# Allegro board 6089-103-RevB_76.brd (continued)
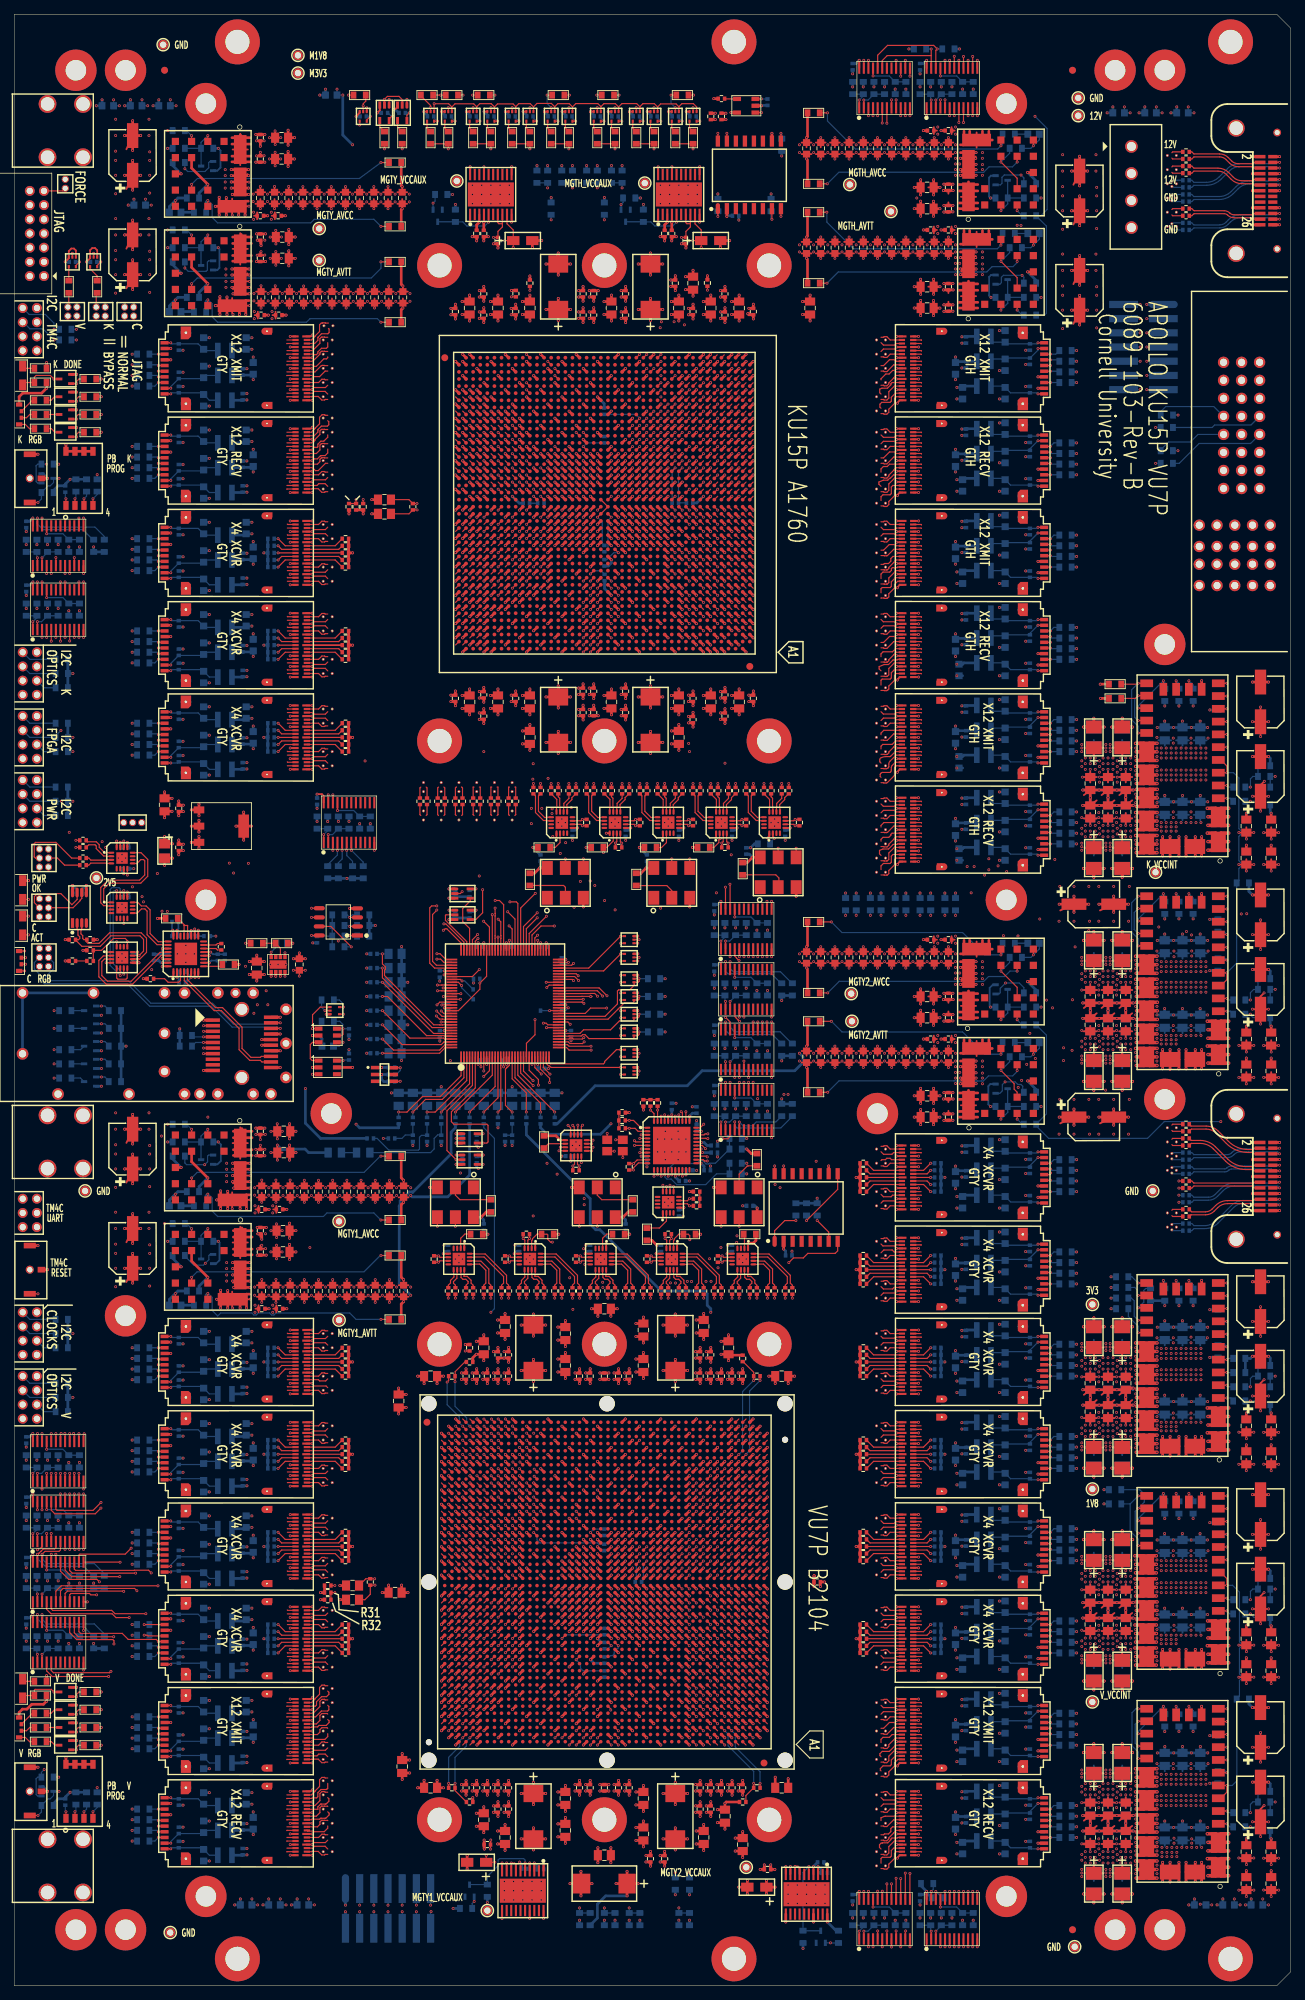
[diagram p0: board, top side]
## Routing (per net, layer and track width the routed paths; a pad name or vN(x,y) marks a point on that pad's centre or on a via; arc(x,y) is an arc through that point) (continued)
45.02,38.31 ; VA42.4 45.16,38.22 ; VA42.4 44.84,37.52 ; VA42.4 45.16,37.58 ; U113.G2 142.19,80.84 ; U113.G2 141.47,79.18 ; U113.G2 142.19,78.96 ; U113.G2 141.79,78.97 ; U113.G2 141.25,79.9 ; U113.G2 142.91,80.62 ; U113.G2 142.91,79.18 ; U113.G2 141.47,80.62 ; VA40.4 45.16,42.22 ; VA40.4 45.02,42.31 ; VA40.4 45.25,41.71 ; VA40.4 44.84,41.52 ; VA40.4 44.84,42.28 ; VA40.4 45.16,41.58 ; VA40.4 45.25,42.09 ; VA40.4 45.22,41.9 ; VA124.3 123.16,44.58 ; VA124.3 123.02,45.31 ; VA124.3 123.25,44.71 ; VA124.3 122.83,45.28 ; VA124.3 123.25,45.09 ; VA124.3 122.83,44.52 ; VA124.3 123.22,44.9 ; VA124.3 123.16,45.22 ; 62.29,169.72 VA57.4 ; VA57.4 63.11,169.72 ; VA57.4 63.08,169.53 ; VA57.4 62.7,169.92 ; VA57.4 62.89,169.95 ; VA57.4 62.32,169.53 ; VA57.4 62.38,169.86 ; VA57.4 63.02,169.86 ; 163.84,120.9 163.84,121.28 ; 163.84,120.9 164.16,121.22 ; 163.84,120.9 164.02,121.31 ; 163.84,120.9 164.22,120.9 ; 163.84,120.9 164.25,121.09 ; 163.84,120.9 164.16,120.58 ; 163.84,120.9 164.25,120.71 ; 163.84,120.9 163.84,120.52 ; 162.56,116.52 VA145.4 ; VA145.4 162.38,116.49 ; VA145.4 162.18,116.9 ; VA145.4 162.15,116.71 ; VA145.4 162.24,116.58 ; VA145.4 162.56,117.28 ; VA145.4 162.24,117.22 ; VA145.4 162.15,117.09 ; 122.83,227.52 VA67.3 ; VA67.3 123.22,227.9 ; VA67.3 122.83,228.28 ; VA67.3 123.02,228.31 ; VA67.3 123.16,228.22 ; VA67.3 123.16,227.58 ; VA67.3 123.25,227.71 ; VA67.3 123.25,228.09 ; 121.15,213.09 VA74.4 ; VA74.4 121.18,212.9 ; VA74.4 121.24,212.58 ; VA74.4 121.56,212.52 ; VA74.4 121.38,212.49 ; VA74.4 121.56,213.28 ; VA74.4 121.24,213.22 ; VA74.4 121.15,212.71 ; 67.51,167.85 67.7,168.26 ; 67.7,168.26 67.38,167.94 ; 67.7,168.26 67.29,168.08 ; 67.7,168.26 67.32,168.26 ; 67.7,168.26 67.7,167.88 ; 67.7,168.26 68.02,167.94 ; 67.7,168.26 68.08,168.26 ; 67.7,168.26 68.11,168.08 ; 62.29,164.08 62.7,164.26 ; 62.7,164.26 62.7,163.88 ; 62.7,164.26 63.11,164.08 ; 62.7,164.26 63.02,163.94 ; 62.7,164.26 62.38,163.94 ; 62.7,164.26 62.51,163.85 ; 62.7,164.26 63.08,164.26 ; 62.7,164.26 62.32,164.26 ; U24.G2 24.93,170.18 ; U24.G2 24.93,171.62 ; U24.G2 24.21,171.84 ; U24.G2 25.15,170.9 ; U24.G2 24.21,169.96 ; U24.G2 23.49,170.18 ; U24.G2 23.49,171.62 ; U24.G2 23.81,169.97 ; 121.56,199.52 VA80.4 ; VA80.4 121.15,200.09 ; VA80.4 121.24,200.22 ; VA80.4 121.38,199.49 ; VA80.4 121.24,199.58 ; VA80.4 121.15,199.71 ; VA80.4 121.18,199.9 ; VA80.4 121.56,200.28 ; 122.83,158.52 VA99.3 ; VA99.3 123.16,159.22 ; VA99.3 123.25,158.71 ; VA99.3 123.02,159.31 ; VA99.3 123.25,159.09 ; VA99.3 123.22,158.9 ; VA99.3 123.16,158.58 ; VA99.3 122.83,159.28 ; 43.56,76.9 43.56,77.28 ; 43.56,76.9 43.56,76.52 ; 43.56,76.9 43.24,76.58 ; 43.56,76.9 43.15,77.09 ; 43.56,76.9 43.24,77.22 ; 43.56,76.9 43.15,76.71 ; 43.56,76.9 43.18,76.9 ; 43.56,76.9 43.38,76.49 ; VA135.3 123.25,18.71 ; VA135.3 122.83,18.52 ; VA135.3 122.83,19.28 ; VA135.3 123.16,19.22 ; VA135.3 123.16,18.58 ; VA135.3 123.02,19.31 ; VA135.3 123.22,18.9 ; VA135.3 123.25,19.09 ; 43.24,26.58 43.56,26.9 ; 43.56,26.9 43.56,26.52 ; 43.56,26.9 43.24,27.22 ; 43.56,26.9 43.15,27.09 ; 43.56,26.9 43.18,26.9 ; 43.56,26.9 43.15,26.71 ; 43.56,26.9 43.56,27.28 ; 43.56,26.9 43.38,26.49 ; 1.2,163.02 J5.7 ; J5.7 2.08,163.9 ; J5.7 2.07,164.28 ; J5.7 1.87,163.23 ; J5.7 1.58,164.77 ; J5.7 2.07,163.52 ; J5.7 1.87,164.57 ; J5.7 1.2,164.78 ; 65.2,167.88 65.2,168.26 ; 65.2,168.26 65.01,167.85 ; 65.2,168.26 64.88,167.94 ; 65.2,168.26 64.79,168.08 ; 65.2,168.26 65.52,167.94 ; 65.2,168.26 64.82,168.26 ; 65.2,168.26 65.61,168.08 ; 65.2,168.26 65.58,168.26 ; 43.24,28.58 43.56,28.9 ; 43.56,28.9 43.15,29.09 ; 43.56,28.9 43.56,28.52 ; 43.56,28.9 43.56,29.28 ; 43.56,28.9 43.24,29.22 ; 43.56,28.9 43.18,28.9 ; 43.56,28.9 43.38,28.49 ; 43.56,28.9 43.15,28.71 ; VA31.3 45.02,71.31 ; VA31.3 44.84,70.52 ; VA31.3 45.16,70.58 ; VA31.3 44.84,71.28 ; VA31.3 45.25,70.71 ; VA31.3 45.25,71.09 ; VA31.3 45.16,71.22 ; VA31.3 45.22,70.9 ; 23.49,194.62 U23.G1 ; U23.G1 24.21,194.84 ; U23.G1 25.15,193.9 ; U23.G1 23.49,193.18 ; U23.G1 24.93,193.18 ; U23.G1 24.21,192.96 ; U23.G1 24.93,194.62 ; U23.G1 23.81,192.97 ; 122.83,102.52 VA106.4 ; VA106.4 123.16,103.22 ; VA106.4 123.16,102.58 ; VA106.4 123.22,102.9 ; VA106.4 122.83,103.28 ; VA106.4 123.25,103.09 ; VA106.4 123.02,103.31 ; VA106.4 123.25,102.71 ; VA68.3 123.02,226.31 ; VA68.3 123.25,225.71 ; VA68.3 122.83,226.28 ; VA68.3 122.83,225.52 ; VA68.3 123.25,226.09 ; VA68.3 123.16,226.22 ; VA68.3 123.22,225.9 ; VA68.3 123.16,225.58 ; 121.15,78.71 VA113.3 ; VA113.3 121.56,78.52 ; VA113.3 121.18,78.9 ; VA113.3 121.15,79.09 ; VA113.3 121.38,78.49 ; VA113.3 121.24,78.58 ; VA113.3 121.56,79.28 ; VA113.3 121.24,79.22 ; 121.15,163.09 VA97.4 ; VA97.4 121.38,162.49 ; VA97.4 121.56,162.52 ; VA97.4 121.18,162.9 ; VA97.4 121.24,162.58 ; VA97.4 121.56,163.28 ; VA97.4 121.15,162.71 ; VA97.4 121.24,163.22 ; 162.15,120.71 VA143.4 ; VA143.4 162.38,120.49 ; VA143.4 162.24,120.58 ; VA143.4 162.24,121.22 ; VA143.4 162.56,120.52 ; VA143.4 162.56,121.28 ; VA143.4 162.15,121.09 ; VA143.4 162.18,120.9 ; VA117.4 123.25,65.71 ; VA117.4 123.22,65.9 ; VA117.4 123.16,66.22 ; VA117.4 122.83,65.52 ; VA117.4 123.16,65.58 ; VA117.4 123.25,66.09 ; VA117.4 122.83,66.28 ; VA117.4 123.02,66.31 ; 3.53,251.57 J1.11 ; J1.11 4.2,250.02 ; J1.11 3.32,250.9 ; J1.11 4.2,251.78 ; J1.11 5.08,250.9 ; J1.11 4.87,250.23 ; J1.11 4.87,251.57 ; J1.11 3.53,250.23 ; VA113.4 123.22,78.9 ; VA113.4 123.25,79.09 ; VA113.4 123.16,79.22 ; VA113.4 122.83,79.28 ; VA113.4 123.25,78.71 ; VA113.4 123.16,78.58 ; VA113.4 122.83,78.52 ; VA113.4 123.02,79.31 ; 121.15,32.09 VA129.4 ; VA129.4 121.24,32.22 ; VA129.4 121.18,31.9 ; VA129.4 121.15,31.71 ; VA129.4 121.56,31.52 ; VA129.4 121.24,31.58 ; VA129.4 121.38,31.49 ; VA129.4 121.56,32.28 ; U29.G1 24.21,41.84 ; U29.G1 23.81,39.97 ; U29.G1 25.15,40.9 ; U29.G1 23.49,41.62 ; U29.G1 23.49,40.18 ; U29.G1 24.93,41.62 ; U29.G1 24.93,40.18 ; U29.G1 24.21,39.96 ; VA84.3 122.83,191.28 ; VA84.3 123.16,191.22 ; VA84.3 123.02,191.31 ; VA84.3 123.25,191.09 ; VA84.3 123.25,190.71 ; VA84.3 122.83,190.52 ; VA84.3 123.22,190.9 ; VA84.3 123.16,190.58 ; P1.12 173.03,219.57 ; P1.12 173.03,217.61 ; P1.12 172.29,217.85 ; P1.12 172.29,219.33 ; P1.12 173.77,217.85 ; P1.12 172.05,218.59 ; P1.12 173.77,219.33 ; P1.12 174.01,218.59 ; VA100.3 123.16,156.58 ; VA100.3 123.02,157.31 ; VA100.3 123.22,156.9 ; VA100.3 123.25,156.71 ; VA100.3 122.83,156.52 ; VA100.3 123.16,157.22 ; VA100.3 122.83,157.28 ; VA100.3 123.25,157.09 ; 43.56,212.9 43.56,213.28 ; 43.56,212.9 43.24,213.22 ; 43.56,212.9 43.24,212.58 ; 43.56,212.9 43.56,212.52 ; 43.56,212.9 43.38,212.49 ; 43.56,212.9 43.15,212.71 ; 43.56,212.9 43.15,213.09 ; 43.56,212.9 43.18,212.9 ; VA53.4 58.08,169.53 ; VA53.4 57.7,169.92 ; VA53.4 57.29,169.72 ; VA53.4 57.38,169.86 ; VA53.4 57.32,169.53 ; VA53.4 57.89,169.95 ; VA53.4 58.02,169.86 ; VA53.4 58.11,169.72 ; VA30.3 45.22,72.9 ; VA30.3 44.84,73.28 ; VA30.3 45.25,72.71 ; VA30.3 44.84,72.52 ; VA30.3 45.16,73.22 ; VA30.3 45.16,72.58 ; VA30.3 45.25,73.09 ; VA30.3 45.02,73.31 ; 65.2,164.26 65.61,164.08 ; 65.2,164.26 65.58,164.26 ; 65.2,164.26 64.79,164.08 ; 65.2,164.26 64.82,164.26 ; 65.2,164.26 64.88,163.94 ; 65.2,164.26 65.52,163.94 ; 65.2,164.26 65.2,163.88 ; 65.2,164.26 65.01,163.85 ; 43.18,227.9 43.56,227.9 ; 43.56,227.9 43.56,228.28 ; 43.56,227.9 43.24,227.58 ; 43.56,227.9 43.24,228.22 ; 43.56,227.9 43.56,227.52 ; 43.56,227.9 43.38,227.49 ; 43.56,227.9 43.15,227.71 ; 43.56,227.9 43.15,228.09 ; VA103.3 122.83,112.28 ; VA103.3 123.25,111.71 ; VA103.3 123.02,112.31 ; VA103.3 123.25,112.09 ; VA103.3 123.16,111.58 ; VA103.3 123.16,112.22 ; VA103.3 123.22,111.9 ; VA103.3 122.83,111.52 ; VA45.4 45.16,32.22 ; VA45.4 45.16,31.58 ; VA45.4 45.22,31.9 ; VA45.4 44.84,32.28 ; VA45.4 44.84,31.52 ; VA45.4 45.25,32.09 ; VA45.4 45.02,32.31 ; VA45.4 45.25,31.71 ; VA92.3 123.02,174.31 ; VA92.3 123.16,173.58 ; VA92.3 122.83,174.28 ; VA92.3 122.83,173.52 ; VA92.3 123.16,174.22 ; VA92.3 123.25,173.71 ; VA92.3 123.25,174.09 ; VA92.3 123.22,173.9 ; VA73.3 123.25,215.09 ; VA73.3 122.83,215.28 ; VA73.3 123.16,214.58 ; VA73.3 123.25,214.71 ; VA73.3 122.83,214.52 ; VA73.3 123.02,215.31 ; VA73.3 123.16,215.22 ; VA73.3 123.22,214.9 ; 162.38,118.49 VA144.4 ; VA144.4 162.56,119.28 ; VA144.4 162.18,118.9 ; VA144.4 162.24,119.22 ; VA144.4 162.56,118.52 ; VA144.4 162.15,119.09 ; VA144.4 162.24,118.58 ; VA144.4 162.15,118.71 ; VA121.4 123.22,52.9 ; VA121.4 122.83,52.52 ; VA121.4 123.25,52.71 ; VA121.4 123.02,53.31 ; VA121.4 123.16,53.22 ; VA121.4 122.83,53.28 ; VA121.4 123.16,52.58 ; VA121.4 123.25,53.09 ; 121.38,18.49 VA135.4 ; VA135.4 121.15,18.71 ; VA135.4 121.24,18.58 ; VA135.4 121.56,19.28 ; VA135.4 121.18,18.9 ; VA135.4 121.15,19.09 ; VA135.4 121.24,19.22 ; VA135.4 121.56,18.52 ; VA75.3 123.22,210.9 ; VA75.3 122.83,211.28 ; VA75.3 123.25,210.71 ; VA75.3 123.02,211.31 ; VA75.3 123.16,210.58 ; VA75.3 123.16,211.22 ; VA75.3 123.25,211.09 ; VA75.3 122.83,210.52 ; VA11.4 45.22,210.9 ; VA11.4 44.84,210.52 ; VA11.4 45.16,211.22 ; VA11.4 44.84,211.28 ; VA11.4 45.25,211.09 ; VA11.4 45.02,211.31 ; VA11.4 45.16,210.58 ; VA11.4 45.25,210.71 ; VA4.4 45.02,226.31 ; VA4.4 44.84,225.52 ; VA4.4 45.25,225.71 ; VA4.4 45.16,225.58 ; VA4.4 45.16,226.22 ; VA4.4 45.22,225.9 ; VA4.4 44.84,226.28 ; VA4.4 45.25,226.09 ; 43.15,218.71 43.56,218.9 ; 43.56,218.9 43.18,218.9 ; 43.56,218.9 43.56,219.28 ; 43.56,218.9 43.15,219.09 ; 43.56,218.9 43.24,218.58 ; 43.56,218.9 43.24,219.22 ; 43.56,218.9 43.38,218.49 ; 43.56,218.9 43.56,218.52 ; U30.G2 24.93,17.18 ; U30.G2 23.49,17.18 ; U30.G2 23.81,16.97 ; U30.G2 24.21,18.84 ; U30.G2 25.15,17.9 ; U30.G2 24.93,18.62 ; U30.G2 23.49,18.62 ; U30.G2 24.21,16.96 ; 121.24,26.58 VA131.4 ; VA131.4 121.38,26.49 ; VA131.4 121.56,26.52 ; VA131.4 121.15,27.09 ; VA131.4 121.15,26.71 ; VA131.4 121.24,27.22 ; VA131.4 121.18,26.9 ; VA131.4 121.56,27.28 ; 121.56,57.52 VA120.4 ; VA120.4 121.24,58.22 ; VA120.4 121.38,57.49 ; VA120.4 121.18,57.9 ; VA120.4 121.24,57.58 ; VA120.4 121.15,57.71 ; VA120.4 121.15,58.09 ; VA120.4 121.56,58.28 ; 16.19,124.77 U13.31 ; U13.31 15.52,124.98 ; U13.31 16.19,126.53 ; U13.31 15.52,126.32 ; U13.31 16.86,126.32 ; U13.31 16.86,124.98 ; U13.31 15.31,125.65 ; U13.31 17.07,125.65 ; 121.56,91.52 VA109.3 ; VA109.3 121.38,91.49 ; VA109.3 121.56,92.28 ; VA109.3 121.15,91.71 ; VA109.3 121.18,91.9 ; VA109.3 121.24,91.58 ; VA109.3 121.15,92.09 ; VA109.3 121.24,92.22 ; VA59.4 65.58,169.53 ; VA59.4 64.79,169.72 ; VA59.4 65.52,169.86 ; VA59.4 65.61,169.72 ; VA59.4 64.88,169.86 ; VA59.4 64.82,169.53 ; VA59.4 65.2,169.92 ; VA59.4 65.39,169.95 ; U111.G1 142.91,95.18 ; U111.G1 141.25,95.9 ; U111.G1 141.79,94.97 ; U111.G1 142.19,94.96 ; U111.G1 142.19,96.84 ; U111.G1 142.91,96.62 ; U111.G1 141.47,96.62 ; U111.G1 141.47,95.18 ; U26.G2 25.15,69.9 ; U26.G2 24.21,68.96 ; U26.G2 23.81,68.97 ; U26.G2 23.49,69.18 ; U26.G2 24.93,69.18 ; U26.G2 24.93,70.62 ; U26.G2 23.49,70.62 ; U26.G2 24.21,70.84 ; 43.18,24.9 43.56,24.9 ; 43.56,24.9 43.15,25.09 ; 43.56,24.9 43.15,24.71 ; 43.56,24.9 43.24,24.58 ; 43.56,24.9 43.56,25.28 ; 43.56,24.9 43.56,24.52 ; 43.56,24.9 43.38,24.49 ; 43.56,24.9 43.24,25.22 ; U13.27 34.45,126.41 ; U13.27 33.69,126.65 ; U13.27 33.69,124.65 ; U13.27 32.93,124.89 ; U13.27 34.69,125.65 ; U13.27 32.93,126.41 ; U13.27 34.45,124.89 ; U13.27 32.69,125.65 ; U109.G2 142.91,167.18 ; U109.G2 142.19,168.84 ; U109.G2 141.47,167.18 ; U109.G2 142.19,166.96 ; U109.G2 142.91,168.62 ; U109.G2 141.25,167.9 ; U109.G2 141.47,168.62 ; U109.G2 141.79,166.97 ; 163.84,253.9 164.25,254.09 ; 163.84,253.9 164.25,253.71 ; 163.84,253.9 164.22,253.9 ; 163.84,253.9 163.84,254.28 ; 163.84,253.9 164.16,253.58 ; 163.84,253.9 164.02,254.31 ; 163.84,253.9 163.84,253.52 ; 163.84,253.9 164.16,254.22 ; U109.G1 142.91,157.18 ; U109.G1 141.47,158.62 ; U109.G1 141.79,156.97 ; U109.G1 142.91,158.62 ; U109.G1 142.19,158.84 ; U109.G1 141.25,157.9 ; U109.G1 142.19,156.96 ; U109.G1 141.47,157.18 ; VA16.4 45.16,193.22 ; VA16.4 45.02,193.31 ; VA16.4 44.84,192.52 ; VA16.4 44.84,193.28 ; VA16.4 45.25,192.71 ; VA16.4 45.16,192.58 ; VA16.4 45.22,192.9 ; VA16.4 45.25,193.09 ; 43.18,72.9 43.56,72.9 ; 43.56,72.9 43.56,72.52 ; 43.56,72.9 43.15,72.71 ; 43.56,72.9 43.56,73.28 ; 43.56,72.9 43.15,73.09 ; 43.56,72.9 43.24,73.22 ; 43.56,72.9 43.38,72.49 ; 43.56,72.9 43.24,72.58 ; 2.53,80.57 J8.8 ; J8.8 3.87,79.23 ; J8.8 3.87,80.57 ; J8.8 3.2,80.78 ; J8.8 3.2,79.02 ; J8.8 4.08,79.9 ; J8.8 2.53,79.23 ; J8.8 2.32,79.9 ; 43.24,226.22 43.56,225.9 ; 43.56,225.9 43.38,225.49 ; 43.56,225.9 43.15,226.09 ; 43.56,225.9 43.56,225.52 ; 43.56,225.9 43.18,225.9 ; 43.56,225.9 43.24,225.58 ; 43.56,225.9 43.56,226.28 ; 43.56,225.9 43.15,225.71 ; VA130.3 123.16,30.22 ; VA130.3 123.25,29.71 ; VA130.3 123.16,29.58 ; VA130.3 122.83,29.52 ; VA130.3 122.83,30.28 ; VA130.3 123.25,30.09 ; VA130.3 123.22,29.9 ; VA130.3 123.02,30.31 ; 121.24,76.58 VA114.3 ; VA114.3 121.15,76.71 ; VA114.3 121.15,77.09 ; VA114.3 121.24,77.22 ; VA114.3 121.38,76.49 ; VA114.3 121.56,76.52 ; VA114.3 121.56,77.28 ; VA114.3 121.18,76.9 ; 121.15,46.71 VA123.4 ; VA123.4 121.56,46.52 ; VA123.4 121.15,47.09 ; VA123.4 121.24,46.58 ; VA123.4 121.38,46.49 ; VA123.4 121.18,46.9 ; VA123.4 121.56,47.28 ; VA123.4 121.24,47.22 ; U29.G2 24.21,31.84 ; U29.G2 24.21,29.96 ; U29.G2 24.93,31.62 ; U29.G2 23.49,30.18 ; U29.G2 23.49,31.62 ; U29.G2 25.15,30.9 ; U29.G2 23.81,29.97 ; U29.G2 24.93,30.18 ; 121.24,104.58 VA105.3 ; VA105.3 121.18,104.9 ; VA105.3 121.15,104.71 ; VA105.3 121.38,104.49 ; VA105.3 121.56,104.52 ; VA105.3 121.15,105.09 ; VA105.3 121.56,105.28 ; VA105.3 121.24,105.22 ; 60.01,163.85 60.2,164.26 ; 60.2,164.26 60.52,163.94 ; 60.2,164.26 60.58,164.26 ; 60.2,164.26 60.61,164.08 ; 60.2,164.26 60.2,163.88 ; 60.2,164.26 59.82,164.26 ; 60.2,164.26 59.79,164.08 ; 60.2,164.26 59.88,163.94 ; 163.84,106.9 164.22,106.9 ; 163.84,106.9 164.16,107.22 ; 163.84,106.9 164.25,107.09 ; 163.84,106.9 164.25,106.71 ; 163.84,106.9 163.84,106.52 ; 163.84,106.9 163.84,107.28 ; 163.84,106.9 164.02,107.31 ; 163.84,106.9 164.16,106.58 ; P1.10 174.01,213.51 ; P1.10 173.77,214.25 ; P1.10 172.29,214.25 ; P1.10 172.29,212.77 ; P1.10 173.77,212.77 ; P1.10 173.03,214.49 ; P1.10 172.05,213.51 ; P1.10 173.03,212.53 ; 141.79,42.97 U115.G1 ; U115.G1 141.47,44.62 ; U115.G1 142.91,43.18 ; U115.G1 141.47,43.18 ; U115.G1 142.91,44.62 ; U115.G1 142.19,42.96 ; U115.G1 142.19,44.84 ; U115.G1 141.25,43.9 ; VA63.4 70.52,169.86 ; VA63.4 69.79,169.72 ; VA63.4 70.58,169.53 ; VA63.4 70.61,169.72 ; VA63.4 70.39,169.95 ; VA63.4 69.88,169.86 ; VA63.4 70.2,169.92 ; VA63.4 69.82,169.53 ; VA102.4 123.16,116.22 ; VA102.4 122.83,116.28 ; VA102.4 123.02,116.31 ; VA102.4 123.25,116.09 ; VA102.4 123.22,115.9 ; VA102.4 123.25,115.71 ; VA102.4 123.16,115.58 ; VA102.4 122.83,115.52 ; 141.25,118.9 U110.G2 ; U110.G2 141.47,119.62 ; U110.G2 142.91,118.18 ; U110.G2 142.19,119.84 ; U110.G2 142.91,119.62 ; U110.G2 141.79,117.97 ; U110.G2 141.47,118.18 ; U110.G2 142.19,117.96 ; 43.38,50.49 43.56,50.9 ; 43.56,50.9 43.15,50.71 ; 43.56,50.9 43.24,50.58 ; 43.56,50.9 43.15,51.09 ; 43.56,50.9 43.18,50.9 ; 43.56,50.9 43.56,51.28 ; 43.56,50.9 43.56,50.52 ; 43.56,50.9 43.24,51.22 ; 43.15,33.71 43.56,33.9 ; 43.56,33.9 43.38,33.49 ; 43.56,33.9 43.18,33.9 ; 43.56,33.9 43.24,33.58 ; 43.56,33.9 43.24,34.22 ; 43.56,33.9 43.56,33.52 ; 43.56,33.9 43.56,34.28 ; 43.56,33.9 43.15,34.09 ; 24.21,218.96 U21.G1 ; U21.G1 23.49,220.62 ; U21.G1 25.15,219.9 ; U21.G1 24.21,220.84 ; U21.G1 23.49,219.18 ; U21.G1 24.93,219.18 ; U21.G1 24.93,220.62 ; U21.G1 23.81,218.97 ; 163.84,249.9 164.16,250.22 ; 163.84,249.9 163.84,250.28 ; 163.84,249.9 164.16,249.58 ; 163.84,249.9 164.25,249.71 ; 163.84,249.9 164.02,250.31 ; 163.84,249.9 164.22,249.9 ; 163.84,249.9 164.25,250.09 ; 163.84,249.9 163.84,249.52 ; 121.24,52.58 VA121.3 ; VA121.3 121.56,53.28 ; VA121.3 121.38,52.49 ; VA121.3 121.15,53.09 ; VA121.3 121.56,52.52 ; VA121.3 121.18,52.9 ; VA121.3 121.24,53.22 ; VA121.3 121.15,52.71 ; U13.36 22.07,134.21 ; U13.36 21.19,133.33 ; U13.36 21.86,134.88 ; U13.36 21.19,135.09 ; U13.36 21.86,133.54 ; U13.36 20.52,134.88 ; U13.36 20.32,134.21 ; U13.36 20.52,133.54 ; 142.19,107.96 U110.G1 ; U110.G1 142.19,109.84 ; U110.G1 141.79,107.97 ; U110.G1 142.91,109.62 ; U110.G1 141.47,109.62 ; U110.G1 141.47,108.18 ; U110.G1 141.25,108.9 ; U110.G1 142.91,108.18 ; U13.37 21.19,129.7 ; U13.37 21.19,127.95 ; U13.37 21.86,129.5 ; U13.37 20.32,128.83 ; U13.37 20.52,129.5 ; U13.37 22.07,128.83 ; U13.37 20.52,128.16 ; U13.37 21.86,128.16 ; J8.7 2.08,79.9 ; J8.7 1.87,80.57 ; J8.7 1.87,79.23 ; J8.7 1.2,80.78 ; J8.7 2.07,79.52 ; J8.7 1.2,79.02 ; J8.7 1.58,80.77 ; J8.7 2.07,80.28 ; U22.G2 24.93,197.62 ; U22.G2 23.49,196.18 ; U22.G2 23.49,197.62 ; U22.G2 24.93,196.18 ; U22.G2 24.21,197.84 ; U22.G2 24.21,195.96 ; U22.G2 25.15,196.9 ; U22.G2 23.81,195.97 ; 121.24,85.58 VA111.4 ; VA111.4 121.56,86.28 ; VA111.4 121.56,85.52 ; VA111.4 121.24,86.22 ; VA111.4 121.18,85.9 ; VA111.4 121.15,86.09 ; VA111.4 121.15,85.71 ; VA111.4 121.38,85.49 ; U28.G2 24.21,44.84 ; U28.G2 25.15,43.9 ; U28.G2 23.81,42.97 ; U28.G2 24.21,42.96 ; U28.G2 24.93,44.62 ; U28.G2 23.49,44.62 ; U28.G2 24.93,43.18 ; U28.G2 23.49,43.18 ; P1.16 173.77,228.01 ; P1.16 172.29,229.49 ; P1.16 173.03,227.77 ; P1.16 173.03,229.73 ; P1.16 173.77,229.49 ; P1.16 174.01,228.75 ; P1.16 172.29,228.01 ; P1.16 172.05,228.75 ; U104.G2 142.19,233.84 ; U104.G2 141.47,233.62 ; U104.G2 142.91,233.62 ; U104.G2 141.25,232.9 ; U104.G2 142.19,231.96 ; U104.G2 141.47,232.18 ; U104.G2 142.91,232.18 ; U104.G2 141.79,231.97 ; VA51.4 45.25,19.09 ; VA51.4 45.02,19.31 ; VA51.4 45.22,18.9 ; VA51.4 45.16,19.22 ; VA51.4 45.25,18.71 ; VA51.4 44.84,18.52 ; VA51.4 45.16,18.58 ; VA51.4 44.84,19.28 ; VA29.4 44.84,77.28 ; VA29.4 45.16,76.58 ; VA29.4 45.02,77.31 ; VA29.4 44.84,76.52 ; VA29.4 45.25,77.09 ; VA29.4 45.22,76.9 ; VA29.4 45.25,76.71 ; VA29.4 45.16,77.22 ; VA43.4 44.84,36.28 ; VA43.4 45.16,35.58 ; VA43.4 45.16,36.22 ; VA43.4 45.25,36.09 ; VA43.4 45.25,35.71 ; VA43.4 45.02,36.31 ; VA43.4 45.22,35.9 ; VA43.4 44.84,35.52 ; 162.18,251.9 VA140.4 ; VA140.4 162.24,252.22 ; VA140.4 162.15,252.09 ; VA140.4 162.38,251.49 ; VA140.4 162.56,252.28 ; VA140.4 162.15,251.71 ; VA140.4 162.56,251.52 ; VA140.4 162.24,251.58 ; 2.32,181.9 J3.8 ; J3.8 3.2,182.78 ; J3.8 4.08,181.9 ; J3.8 3.2,181.02 ; J3.8 3.87,182.57 ; J3.8 3.87,181.23 ; J3.8 2.53,181.23 ; J3.8 2.53,182.57 ; VA14.3 45.25,200.09 ; VA14.3 44.84,199.52 ; VA14.3 44.84,200.28 ; VA14.3 45.02,200.31 ; VA14.3 45.16,200.22 ; VA14.3 45.16,199.58 ; VA14.3 45.25,199.71 ; VA14.3 45.22,199.9 ; VA131.3 123.16,27.22 ; VA131.3 123.25,26.71 ; VA131.3 122.83,26.52 ; VA131.3 123.02,27.31 ; VA131.3 123.16,26.58 ; VA131.3 123.22,26.9 ; VA131.3 123.25,27.09 ; VA131.3 122.83,27.28 ; PM23.1 150.38,5.5 ; PM23.1 149.5,6.38 ; PM23.1 150.17,6.17 ; PM23.1 149.5,4.62 ; PM23.1 150.17,4.83 ; PM23.1 148.62,5.5 ; PM23.1 148.83,6.17 ; PM23.1 148.83,4.83 ; VA71.3 123.22,218.9 ; VA71.3 123.16,218.58 ; VA71.3 123.16,219.22 ; VA71.3 123.25,219.09 ; VA71.3 122.83,218.52 ; VA71.3 123.02,219.31 ; VA71.3 122.83,219.28 ; VA71.3 123.25,218.71 ; VA132.4 121.56,25.28 ; VA132.4 121.38,24.49 ; VA132.4 121.56,24.52 ; VA132.4 121.24,25.22 ; VA132.4 121.24,24.58 ; VA132.4 121.18,24.9 ; VA132.4 121.15,25.09 ; VA132.4 121.15,24.71 ; 163.84,251.9 163.84,252.28 ; 163.84,251.9 164.25,252.09 ; 163.84,251.9 164.22,251.9 ; 163.84,251.9 164.25,251.71 ; 163.84,251.9 163.84,251.52 ; 163.84,251.9 164.16,251.58 ; 163.84,251.9 164.16,252.22 ; 163.84,251.9 164.02,252.31 ; VA19.3 45.22,184.9 ; VA19.3 45.25,184.71 ; VA19.3 45.16,184.58 ; VA19.3 45.02,185.31 ; VA19.3 45.16,185.22 ; VA19.3 44.84,184.52 ; VA19.3 44.84,185.28 ; VA19.3 45.25,185.09 ; 23.49,181.62 U24.G1 ; U24.G1 24.21,181.84 ; U24.G1 23.81,179.97 ; U24.G1 25.15,180.9 ; U24.G1 24.21,179.96 ; U24.G1 24.93,181.62 ; U24.G1 23.49,180.18 ; U24.G1 24.93,180.18 ; VA64.4 70.58,165.53 ; VA64.4 69.79,165.72 ; VA64.4 70.2,165.92 ; VA64.4 70.39,165.95 ; VA64.4 70.52,165.86 ; VA64.4 69.88,165.86 ; VA64.4 70.61,165.72 ; VA64.4 69.82,165.53 ; 43.15,44.71 43.56,44.9 ; 43.56,44.9 43.24,44.58 ; 43.56,44.9 43.56,44.52 ; 43.56,44.9 43.15,45.09 ; 43.56,44.9 43.56,45.28 ; 43.56,44.9 43.24,45.22 ; 43.56,44.9 